# Altium PCB Xavier_NX_Carrier_Board_v1.1.PcbDoc (part 2 of 6) (continued)
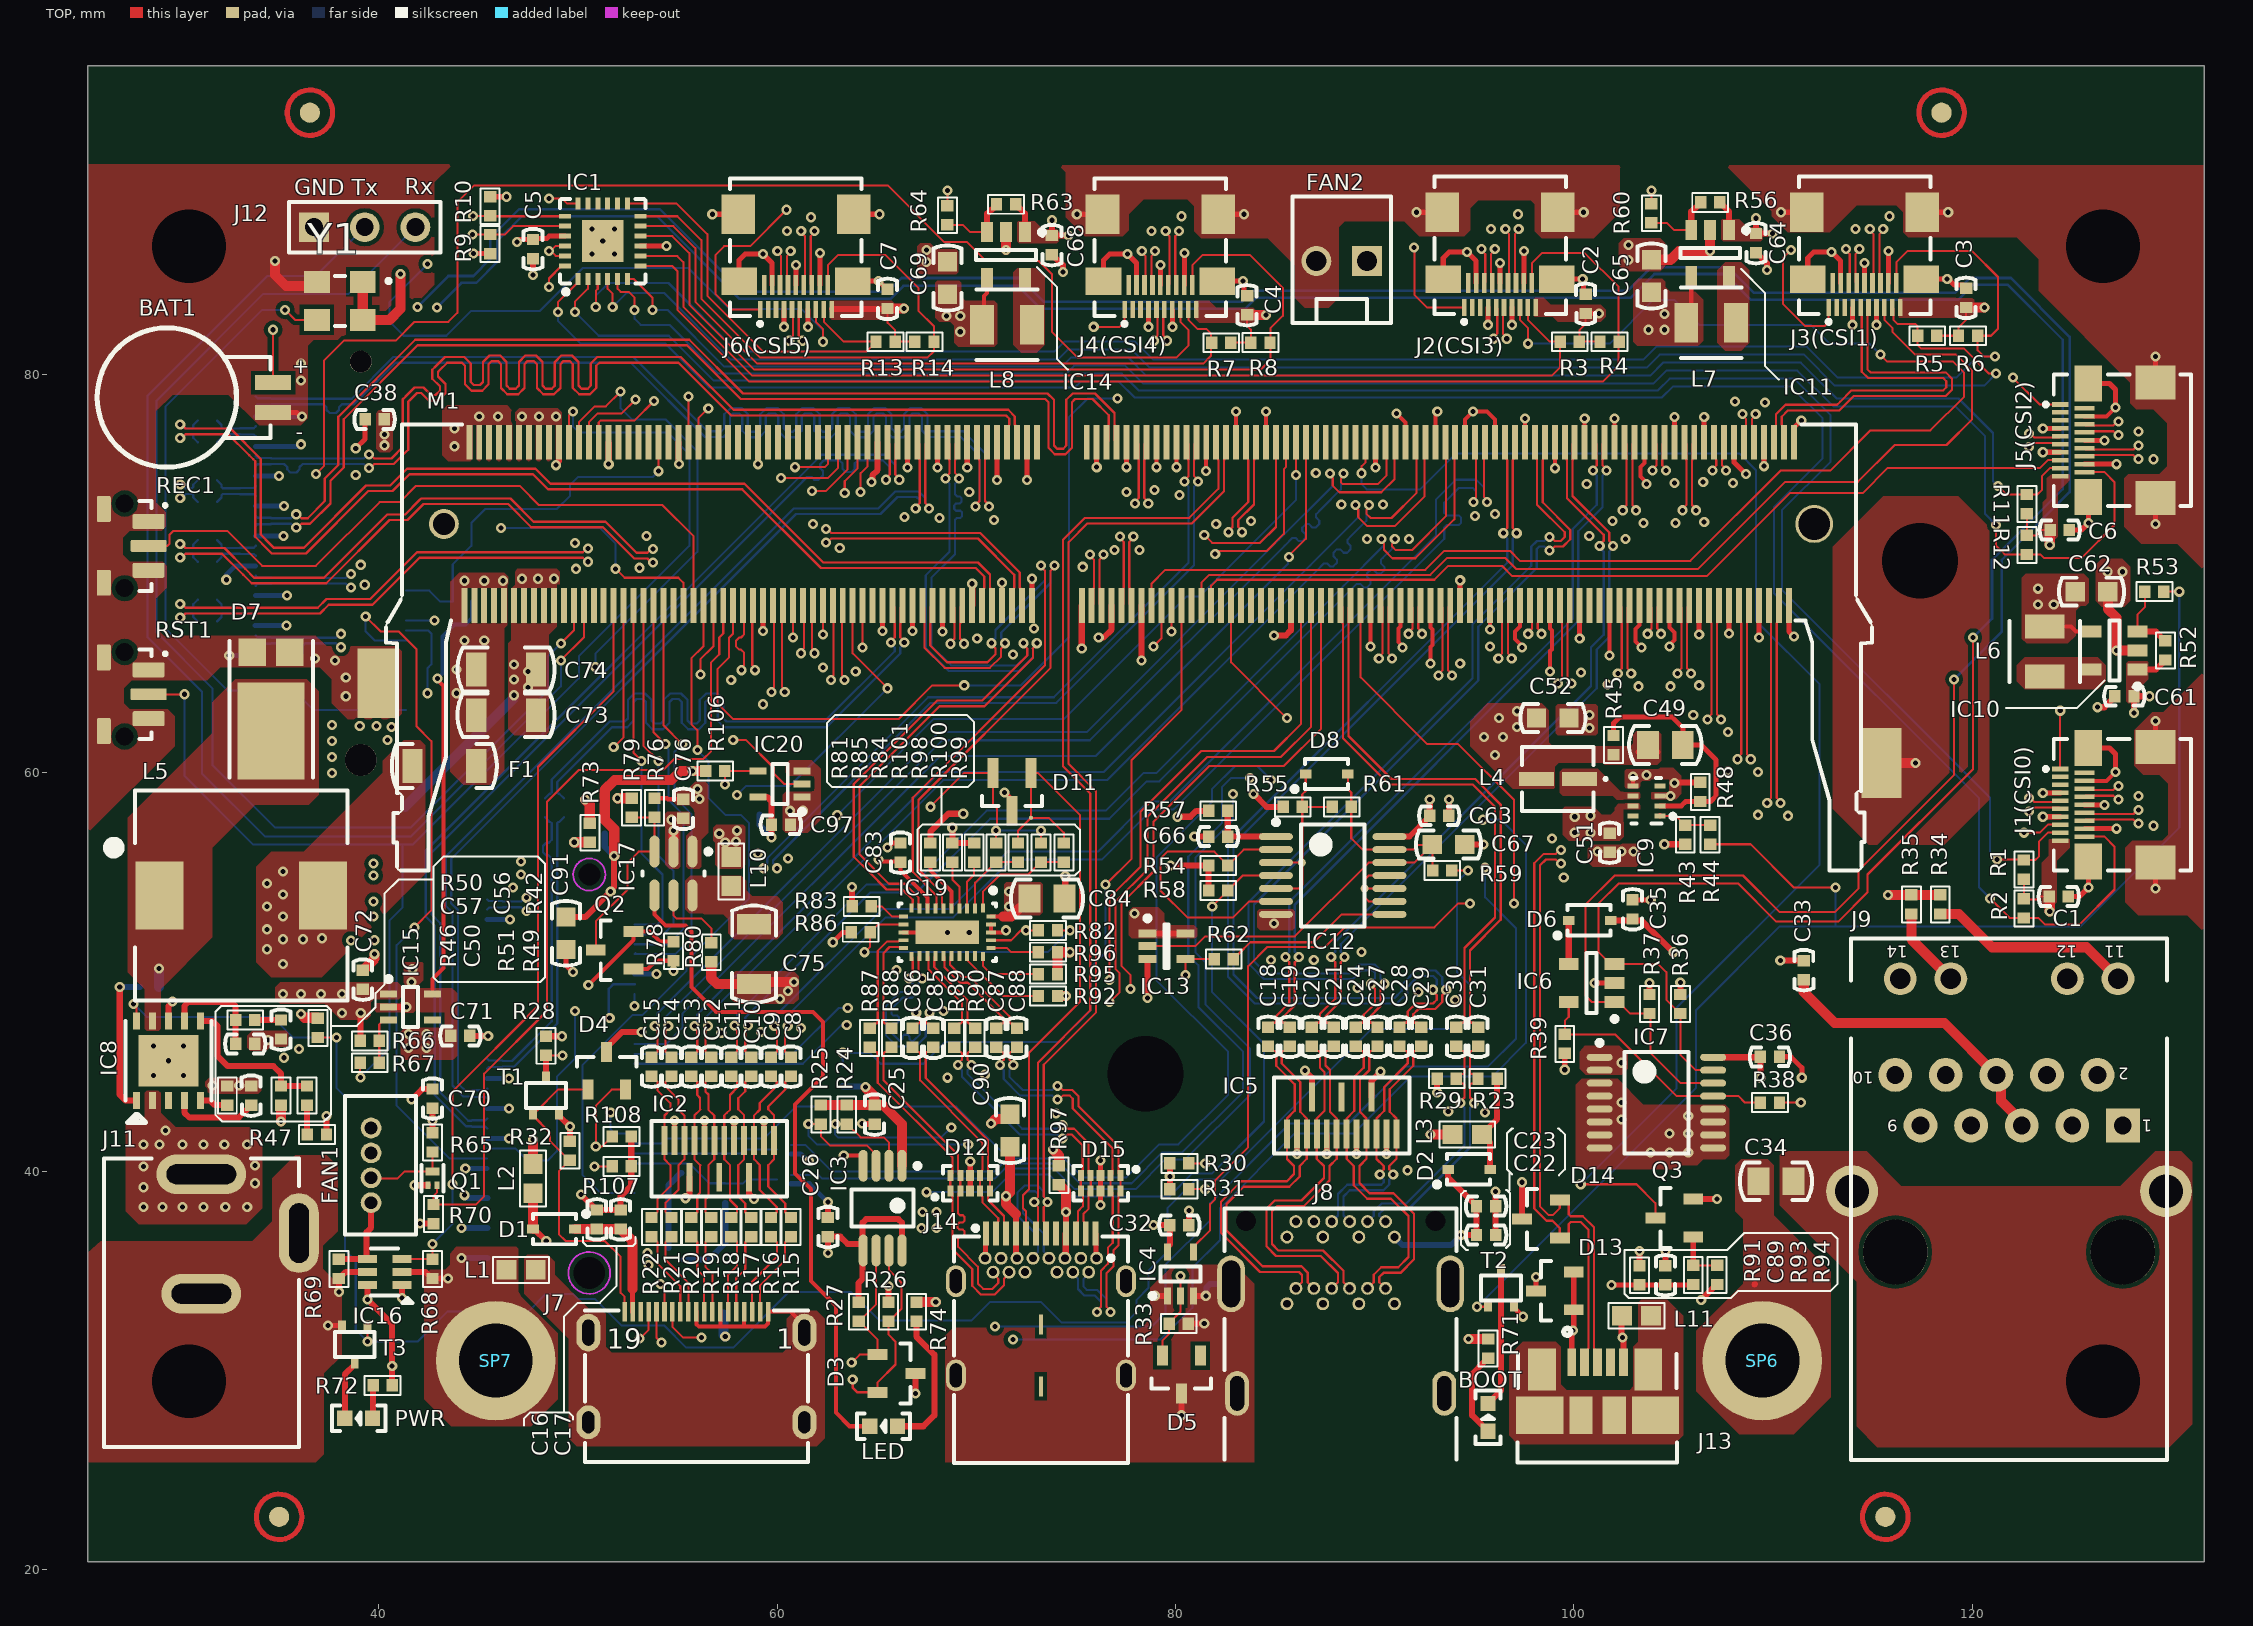
[diagram p0: TOP view]
## Nets (pads, with @x,y where several pads share a name; then routed paths per layer and width w, separated by ;. In a path a pad name is that pad's centre, name@x,y a point inside that pad or via, vN(x,y) a via of type N, cw(c..) or ccw(c..) an arc to the next point about the centre after c; other vN are vias at no path point) (continued)
C_USBSS_RX1_P: D12.2 J14.B11 R88.1 | length 17
  TOP w0.107: R88.1@65.75,46.22 65.519,45.989 65.405,45.989 65.342,45.926 65.342,44.566 69.092,40.816 69.092,40.069 69.103,40.058 69.103,39.882 D12.2@69.2,39.785 D12.2@69.2,39.015 69.103,38.918 69.103,38.742 69.092,38.731 69.092,37.95 69.092,37.884 69.182,37.794 69.323,37.794 69.413,37.704 69.413,37.523 69.323,37.433 69.16,37.433 69.07,37.343 69.07,37.163 69.16,37.073 69.323,37.073 69.413,36.982 69.413,36.802 69.323,36.712 69.182,36.712 69.092,36.622 69.092,36.208 70.084,35.216 70.084,34.366 70.35,34.1 70.819,34.1 71.108,34.389 71.108,34.601 70.85,34.859 J14.B11@70.85,34.935
C_USBSS_RX2_N: D15.5 J14.A10 R89.1 | length 14.2
  TOP w0.107: R89.1@68.9,46.22 69.132,45.988 69.22,45.988 69.283,45.926 69.283,45.6 69.088,45.406 v1(69.088,45.337) ; v1(74.337,41.656) 74.406,41.656 74.6,41.85 74.8,41.85 75.352,41.298 75.352,40.075 ; J14.A10@75,36.885 75.097,36.982 75.097,37.483 75.102,37.489 75.102,37.985 75.358,38.241 75.358,38.781 75.347,38.792 75.347,38.968 D15.5@75.25,39.065 ; D15.5@75.25,39.015 D15.5@75.25,39.785 75.347,39.882 75.347,40.058 75.358,40.069
  BOTTOM w0.107: v1(69.088,45.337) 69.088,45.268 69.283,45.074 69.283,44.759 72.192,41.85 74.074,41.85 74.268,41.656 v1(74.337,41.656)
C_USBSS_RX2_P: D15.4 J14.A11 R90.1 | length 14.2
  TOP w0.107: v1(69.762,45.337) 69.762,45.406 69.567,45.6 69.567,45.926 69.63,45.988 69.718,45.988 R90.1@69.95,46.22 ; v1(74.337,42.329) 74.406,42.329 74.6,42.134 74.918,42.134 75.309,41.743 75.637,41.416 75.637,40.075 ; J14.A11@75.5,36.885 75.403,36.982 75.403,37.483 75.387,37.5 75.387,37.867 75.642,38.123 75.642,38.781 75.653,38.792 75.653,38.968 D15.4@75.75,39.065 ; 75.642,40.069 75.653,40.058 75.653,39.882 D15.4@75.75,39.785 D15.4@75.75,39.065 ; D15.4@75.75,39.015 D15.4@75.75,39.065
  BOTTOM w0.107: v1(69.762,45.337) 69.762,45.268 69.567,45.074 69.567,44.877 72.31,42.134 74.074,42.134 74.268,42.329 v1(74.337,42.329)
C_USBSS_TX1_N: C85.2 D12.5 J14.A3 | length 11.3
  TOP w0.107: C85.2@67.85,46.22 67.618,45.988 67.53,45.988 67.467,45.926 67.467,44.683 70.592,41.558 70.592,40.069 70.603,40.058 70.603,39.882 D12.5@70.7,39.785 D12.5@70.7,39.015 70.603,38.918 70.603,38.742 70.592,38.731 70.592,38.558 71.392,37.758 71.392,37.494 71.403,37.483 71.403,36.982 J14.A3@71.5,36.885
C_USBSS_TX1_P: C86.2 D12.4 J14.A2 | length 11.3
  TOP w0.107: C86.2@66.8,46.22 67.032,45.988 67.12,45.988 67.183,45.926 67.183,44.565 70.308,41.44 70.308,40.069 70.297,40.058 70.297,39.882 D12.4@70.2,39.785 D12.4@70.2,39.015 70.297,38.918 70.297,38.742 70.308,38.731 70.308,38.44 71.103,37.645 ; J14.A2@71,36.885 71.097,36.982 71.097,37.483 71.108,37.494 71.108,37.645
C_USBSS_TX2_N: C87.2 D15.2 J14.B3 | length 20.9
  TOP w0.107: C87.2@71,46.22 71.232,45.988 71.32,45.988 71.383,45.926 71.383,45.6 71.188,45.406 v1(71.188,45.337) ; v1(74.087,43.606) 74.156,43.606 74.35,43.8 74.7,43.8 74.85,43.65 74.85,43.15 76.852,41.148 76.852,40.075 ; v1(76.071,32.937) 76.071,33.006 76.266,33.2 76.266,35.016 76.608,35.358 76.608,36.158 76.858,36.408 76.858,38.731 76.847,38.742 76.847,38.918 D15.2@76.75,39.015 D15.2@76.75,39.785 76.847,39.882 76.847,40.058 76.858,40.069
  BOTTOM w0.107: v1(71.188,45.337) 71.188,45.268 71.383,45.074 71.383,44.632 72.215,43.8 73.824,43.8 74.018,43.606 v1(74.087,43.606) ; J14.B3@74.85,34.935 74.85,34.859 75.108,34.601 75.108,34.09 75.432,33.766 75.95,33.766 76.266,33.45 76.266,33.2 76.071,33.006 v1(76.071,32.937)
C_USBSS_TX2_P: C88.2 D15.1 J14.B2 | length 20.9
  TOP w0.107: v1(71.862,45.337) 71.862,45.406 71.667,45.6 71.667,45.926 71.73,45.988 71.818,45.988 C88.2@72.05,46.22 ; v1(74.087,44.279) 74.156,44.279 74.35,44.084 74.818,44.084 75.134,43.768 75.134,43.268 76.809,41.593 77.137,41.266 77.137,40.075 ; v1(76.744,32.937) 76.744,33.006 76.55,33.2 76.55,34.898 76.892,35.24 76.892,36.04 77.142,36.29 77.142,38.731 77.153,38.742 77.153,38.918 D15.1@77.25,39.015 D15.1@77.25,39.785 77.153,39.882 77.153,40.058 77.142,40.069
  BOTTOM w0.107: v1(71.862,45.337) 71.862,45.268 71.667,45.074 71.667,44.75 72.333,44.084 73.824,44.084 74.018,44.279 v1(74.087,44.279) ; J14.B2@75.65,34.935 75.65,34.859 75.392,34.601 75.392,34.208 75.55,34.05 76.068,34.05 76.55,33.568 76.55,33.2 76.744,33.006 v1(76.744,32.937)
CAM0_I2C_SCL: IC1.2 J1(CSI0).17 R1.1 | length 99.9
  TOP w0.102: v1(49.85,83.15) 49.85,83.65 50.5,84.3 IC1.2@50.5,84.8 ; v1(121.25,55.65) R1.1@122.58,55.65 ; R1.1@122.6,55.63 123.18,55.63 123.35,55.8 123.35,56.55 123.8,57 124.425,57
  BOTTOM w0.102: v1(49.85,83.15) 51.05,81.95 54.566,81.95 56.816,79.7 74.734,79.7 75.084,80.05 77.316,80.05 78.166,79.2 104.213,79.2 104.813,79.8 111.066,79.8 112.9,77.966 112.9,75.634 110.45,73.184 110.45,69.2 120.9,58.75 120.9,56 v1(121.25,55.65)
CAM0_I2C_SDA: IC1.1 J1(CSI0).18 R2.1 | length 109.7
  TOP w0.102: v1(49,83.15) 49,83.625 50,84.625 IC1.1@50,84.8 ; v1(120.9,53.7) 121.88,52.72 R2.1@122.6,52.72 123.33,52.72 123.65,52.4 125.4,52.4 127.15,54.15 127.15,56.3 126.65,56.8 125.65,56.8
  BOTTOM w0.102: v1(49,83.15) 49,82.7 50.15,81.55 54.4,81.55 56.6,79.35 74.95,79.35 75.25,79.65 77.15,79.65 77.95,78.85 104.428,78.85 104.978,79.4 110.9,79.4 112.5,77.8 112.5,75.8 110.05,73.35 110.05,69.034 120.35,58.734 120.35,54.25 v1(120.9,53.7)
CAM0_PWDN: J1(CSI0).15 M1.114 | length 51.7
  TOP w0.102: M1.114@82.8,68.4 82.8,65.55 v1(85.6,62.75) ; v1(122.6,57) 123.4,57 123.8,57.4 124.425,57.4
  L4_SIG w0.127: v1(85.6,62.75) 88.2,60.15 88.2,58 91.7,54.5 98.55,54.5 98.8,54.25 100.5,54.25 101.35,55.1 110.25,55.1 112.15,57 v1(122.6,57)
CAM1_I2C_SCL: IC1.4 J3(CSI1).17 R5.1 | length 81.8
  TOP w0.102: IC1.4@51.5,84.8 51.5,84.3 51.75,84.05 v1(51.75,83.4) ; 116,83.375 116.064,83.311 116.064,82.736 116.25,82.55 117.15,82.55 117.27,82.43 R5.1@117.27,81.95 117.27,81.48 117.45,81.3 119.6,81.3 120.85,80.05 v1(121.2,80.05)
  BOTTOM w0.102: v1(51.75,83.4) 52.45,84.1 54.326,84.1 57.676,80.75 74.087,80.75 74.587,81.25 77.813,81.25 78.713,80.35 103.666,80.35 104.316,81 111.563,81 113.113,79.45 120.6,79.45 v1(121.2,80.05)
CAM1_I2C_SDA: IC1.3 J3(CSI1).18 R6.1 | length 88.3
  TOP w0.102: v1(50.9,83.4) 50.9,84.2 51,84.3 IC1.3@51,84.8 ; 116.2,84.6 116.2,85.65 116.75,86.2 120,86.2 121.3,84.9 121.3,82.3 120.95,81.95 R6.1@120.28,81.95 120.28,81.22 120.6,80.9 v1(121.15,80.9)
  BOTTOM w0.102: v1(50.9,83.4) 50.9,83.95 51.55,84.6 54.55,84.6 58,81.15 73.922,81.15 74.422,81.65 77.978,81.65 78.878,80.75 103.5,80.75 104.15,81.4 111.7,81.4 113.25,79.85 119.2,79.85 120.25,80.9 v1(121.15,80.9)
CAM1_PWDN: J3(CSI1).15 M1.120 | length 52.4
  TOP w0.102: M1.120@81.3,68.4 81.3,69.55 81.7,69.95 92.8,69.95 93.65,70.8 96.55,70.8 97.1,70.25 106.25,70.25 110.616,74.616 114.266,74.616 116.116,76.466 118.716,76.466 120,77.75 120,80.2 119.2,81 117.15,81 116,82.15 116,82.35 115.6,82.75 115.6,83.375
CAM2_I2C_SCL: IC1.6 J5(CSI2).17 R11.1 | length 80
  TOP w0.102: IC1.6@52.5,84.8 52.8,84.8 53.75,83.85 v1(53.75,83.25) ; v1(121.3,74.4) 121.72,73.98 R11.1@122.75,73.98 123.28,73.98 123.5,74.2 123.5,74.9 123.9,75.3 124.425,75.3
  BOTTOM w0.102: v1(53.75,83.25) 54.5,83.25 57.35,80.4 74.303,80.4 74.753,80.85 77.647,80.85 78.547,79.95 103.831,79.95 104.481,80.6 111.397,80.6 113.197,78.8 119.316,78.8 121.05,77.066 121.05,74.65 v1(121.3,74.4)
CAM2_I2C_SDA: IC1.5 J5(CSI2).18 R12.1 | length 90.2
  TOP w0.102: IC1.5@52,84.8 52,84.3 52.15,84.15 52.55,84.15 52.85,83.85 v1(52.85,83.25) ; v1(121.2,72.45) 121.2,71.4 121.63,70.97 R12.1@122.75,70.97 123.43,70.97 123.6,70.8 125.5,70.8 127.15,72.45 127.15,74.6 126.65,75.1 125.65,75.1
  BOTTOM w0.102: v1(52.85,83.25) 52.85,82.8 53.158,82.492 53.242,82.492 53.25,82.5 54.6,82.5 57.05,80.05 74.519,80.05 74.919,80.45 77.481,80.45 78.381,79.55 103.997,79.55 104.647,80.2 111.231,80.2 113.031,78.4 119.15,78.4 120.65,76.9 120.65,73 v1(121.2,72.45)
CAM2_PWDN: J5(CSI2).15 M1.118 | length 46.7
  TOP w0.102: M1.118@81.8,68.4 81.8,69.4 82.1,69.7 93,69.7 93.7,70.4 96.4,70.4 96.922,69.878 106.678,69.878 110.85,74.05 114.5,74.05 115.75,75.3 123.4,75.3 123.8,75.7 124.425,75.7
CAM3_I2C_SCL: IC1.8 J2(CSI3).17 R3.1 | length 54.1
  TOP w0.102: IC1.8@53.15,85.95 55,85.95 55.3,85.65 55.3,83.4 58.75,79.95 98.9,79.95 99.32,80.37 R3.1@99.32,81.65 98.8,81.65 97.7,82.75 97.7,83.375
CAM3_I2C_SDA: IC1.7 J2(CSI3).18 R4.1 | length 63.2
  TOP w0.102: IC1.7@53.15,85.45 54.75,85.45 55,85.2 55,83.25 58.6,79.65 101.45,79.65 102.25,80.45 R4.1@102.25,81.68 ; 97.9,84.6 97.9,85.6 98.4,86.1 100.55,86.1 102.25,84.4 R4.1@102.25,81.68 ; R4.1@102.28,81.65 R4.1@102.25,81.68
CAM3_PWDN: J2(CSI3).15 M1.130 | length 73.7
  TOP w0.102: M1.130@78.8,68.4 78.8,69.5 79.5,70.2 92.55,70.2 93.5,71.15 96.8,71.15 97.3,70.65 105.85,70.65 110.381,75.181 112.881,75.181 114.9,77.2 117.903,77.2 119.6,78.897 119.6,80.1 119.05,80.65 115.75,80.65 v1(115.4,81) ; 97.3,83.375 97.3,82.75 97.7,82.35 v1(97.7,81.55)
  BOTTOM w0.102: v1(97.7,81.55) 101.8,81.55 104,83.75 105.05,83.75 106.3,82.5 111.9,82.5 112.85,81.55 114.85,81.55 v1(115.4,81)
CAM4_I2C_SCL: IC1.11 J4(CSI4).17 R7.1 | length 36.3
  TOP w0.102: IC1.11@53.15,87.45 54.8,87.45 55.9,86.35 55.9,83.65 59,80.55 81.391,80.55 81.8,80.959 81.8,81.6 81.8,82.05 81.55,82.3 81.1,82.3 80.65,82.75 80.65,83.275
CAM4_I2C_SDA: IC1.10 J4(CSI4).18 R8.1 | length 46.4
  TOP w0.102: IC1.10@53.15,86.95 54.75,86.95 55.6,86.1 55.6,83.5 58.85,80.25 84.275,80.25 84.772,80.747 84.772,81.607 84.772,82.322 85.4,82.95 85.4,84.35 83.75,86 81.35,86 80.85,85.5 80.85,84.5
CAM4_PWDN: J4(CSI4).15 M1.216 | length 86.3
  TOP w0.102: v1(36.85,75) 37.25,75.4 37.25,80.7 38.25,81.7 40.85,81.7 41.8,82.65 43.5,82.65 43.95,83.1 43.95,88.65 44.8,89.5 65.55,89.5 68.4,86.65 69.55,86.65 70.5,85.7 73.15,85.7 73.8,85.05 73.8,82.15 75.1,80.85 80.05,80.85 80.65,81.45 80.65,82.25 80.25,82.65 80.25,83.275 ; v1(51.9,70.25) 52.35,69.8 55.05,69.8 55.3,69.55 M1.216@55.3,68.4
  L4_SIG w0.127: v1(36.85,75) 37.6,75 38.55,74.05 44.4,74.05 v1(46.15,72.3)
  BOTTOM w0.102: v1(46.15,72.3) 51.1,72.3 51.9,71.5 v1(51.9,70.25)
CAM5_I2C_SCL: IC1.13 J6(CSI5).17 R13.1 | length 21.2
  TOP w0.102: IC1.13@52.5,88.6 54.95,88.6 56.5,87.05 56.5,83.95 59.3,81.15 64.47,81.15 R13.1@64.97,81.65 63.35,81.65 62.35,82.65 62.35,83.275
CAM5_I2C_SDA: IC1.12 J6(CSI5).18 R14.1 | length 29.5
  TOP w0.102: IC1.12@53.15,87.95 55,87.95 56.2,86.75 56.2,83.8 59.15,80.85 67.55,80.85 67.88,81.18 67.88,81.6 67.88,82.42 67.1,83.2 67.1,84.35 65.45,86 63.05,86 62.55,85.5 62.55,84.5
CAM5_PWDN: J6(CSI5).15 M1.228 | length 91.4
  TOP w0.102: v1(51.8,61.3) 52.3,61.8 M1.228@52.3,68.4 ; 61.95,83.275 61.95,82.65 62.3,82.3 v1(62.3,81.65)
  L4_SIG w0.127: v1(42.45,85.55) 36.15,85.55 28.55,77.95 28.55,67.45 32.85,63.15 41.6,63.15 43.45,61.3 v1(51.8,61.3)
  BOTTOM w0.102: v1(42.45,85.55) 40.55,83.65 40.55,82.65 41.25,81.95 43.4,81.95 44.65,83.2 48.1,83.2 50.25,85.35 55.55,85.35 57.6,83.3 61.222,83.3 62.3,82.222 v1(62.3,81.65)
CAM_I2C_SCL: IC1.19 M1.213 R10.1 | length 24.3
  TOP w0.102: v1(44.73,87.97) R10.1@45.6,87.97 ; R10.1@45.6,87.95 IC1.19@49.35,87.95 ; M1.213@56.05,76.6 56.05,77.8 v1(56.55,78.3)
  L4_SIG w0.127: v1(44.73,87.97) 46.2,86.5 46.2,84.1 49.45,80.85 54.85,80.85 56.55,79.15 v1(56.55,78.3)
CAM_I2C_SDA: IC1.20 M1.215 R9.1 | length 22.6
  TOP w0.102: v1(44.72,87.03) R9.1@45.6,87.03 46.33,87.03 46.75,87.45 IC1.20@49.35,87.45 ; M1.215@55.55,76.6 v1(55.55,78.9)
  L4_SIG w0.127: v1(44.72,87.03) 45.75,86 45.75,83.85 49.2,80.4 54.05,80.4 v1(55.55,78.9)
CC1: IC19.2 R98.1 R101.2 | length 3.9
  TOP w0.102: IC19.2@69.95,53.2 69.95,54.495 70.975,55.52 R101.2@71,55.52 R98.1@72.1,55.52
CC2: IC19.1 R99.1 R100.2 | length 5.5
  TOP w0.102: IC19.1@70.35,53.23 70.35,54.05 71.2,54.9 72.605,54.9 73.225,55.52 R100.2@73.25,55.52 R99.1@74.4,55.52
CSI0_CLK_N: J1(CSI0).14 M1.10 | length 33.1
  TOP w0.107: M1.10@108.8,68.4 108.703,68.303 108.703,67.527 108.692,67.516 108.692,60.95 108.887,60.756 v1(108.887,60.687) ; 125.65,57.6 125.708,57.658 128.1,57.658 128.294,57.463 v1(128.363,57.463)
  L4_SIG w0.109: v1(108.887,60.687) 108.887,60.761 108.697,60.95 108.697,61.183 108.903,61.389 109.956,61.389 110.628,61.389 110.782,61.235 110.782,61.094 110.937,60.94 111.245,60.94 111.399,61.094 111.399,61.235 111.554,61.389 112.05,61.389 122.494,61.389 126.231,57.652 128.1,57.652 128.289,57.463 v1(128.363,57.463)
CSI0_CLK_P: J1(CSI0).12 M1.12 | length 33.1
  TOP w0.107: v1(108.213,60.687) 108.213,60.756 108.408,60.95 108.408,67.516 108.397,67.527 108.397,68.303 M1.12@108.3,68.4 ; 125.65,58 125.708,57.942 128.1,57.942 128.294,58.136 v1(128.363,58.136)
  L4_SIG w0.109: v1(108.213,60.687) 108.213,60.761 108.403,60.95 108.403,61.305 108.781,61.684 122.616,61.684 122.702,61.598 126.353,57.947 128.1,57.947 128.289,58.136 v1(128.363,58.136)
CSI0_D0_N: J1(CSI0).11 M1.4 | length 32.1
  TOP w0.107: M1.4@110.3,68.4 110.203,68.303 110.203,67.527 110.192,67.516 110.192,58.748 110.387,58.554 v1(110.387,58.485) ; v1(122.85,58.063) 122.919,58.063 123.113,58.258 124.367,58.258 124.425,58.2
  L4_SIG w0.109: v1(110.387,58.485) 110.387,58.559 110.197,58.749 110.197,58.949 110.6,59.352 110.648,59.4 111.697,59.4 111.851,59.246 111.851,58.523 112.178,58.196 112.73,58.196 113.057,58.523 113.057,59.316 113.212,59.47 113.52,59.47 113.675,59.316 113.675,58.48 114.001,58.153 114.554,58.153 114.881,58.48 114.881,59.316 115.035,59.47 115.344,59.47 115.498,59.316 115.498,58.48 115.825,58.153 116.378,58.153 116.705,58.48 116.705,59.246 116.859,59.4 117,59.4 117.583,59.4 118.733,58.25 119.7,58.25 119.95,58 120.3,58 120.55,58.25 121.1,58.25 121.347,58.003 121.65,58.003 121.9,58.253 122.587,58.253 122.776,58.063 v1(122.85,58.063)
CSI0_D0_P: J1(CSI0).9 M1.6 | length 32.1
  TOP w0.107: v1(109.713,58.485) 109.713,58.554 109.908,58.748 109.908,67.516 109.897,67.527 109.897,68.303 M1.6@109.8,68.4 ; v1(122.85,58.737) 122.919,58.737 123.113,58.542 124.367,58.542 124.425,58.6
  L4_SIG w0.109: v1(109.713,58.485) 109.713,58.559 109.903,58.749 109.903,59.071 110.526,59.695 110.6,59.695 111.819,59.695 112.145,59.368 112.145,58.645 112.3,58.491 112.608,58.491 112.763,58.645 112.763,59.438 113.09,59.765 113.642,59.765 113.969,59.438 113.969,58.602 114.123,58.447 114.432,58.447 114.586,58.602 114.586,59.438 114.913,59.765 115.466,59.765 115.793,59.438 115.793,58.602 115.947,58.447 116.256,58.447 116.41,58.602 116.41,59.368 116.737,59.695 117,59.695 117.705,59.695 118.853,58.547 122.587,58.547 122.776,58.737 v1(122.85,58.737)
CSI0_D1_N: J1(CSI0).8 M1.16 | length 32.6
  TOP w0.107: M1.16@107.3,68.4 107.203,68.303 107.203,67.527 107.192,67.516 107.192,62.95 107.387,62.756 v1(107.387,62.687) ; 125.65,58.8 125.708,58.858 127.092,58.858 127.287,58.664 v1(127.355,58.664)
  L4_SIG w0.109: v1(107.387,62.687) 107.387,62.761 107.197,62.95 107.197,63.249 107.498,63.55 108.2,63.55 108.872,63.55 109.026,63.396 109.026,63.279 109.18,63.125 109.489,63.125 109.643,63.279 109.643,63.396 109.798,63.55 110.241,63.55 116.82,63.55 117.083,63.55 117.41,63.877 117.41,64.438 117.565,64.592 117.873,64.592 118.027,64.438 118.027,63.877 118.354,63.55 120.65,63.55 122.033,63.55 126.73,58.853 127.092,58.853 127.281,58.664 v1(127.355,58.664)
CSI0_D1_P: J1(CSI0).6 M1.18 | length 32.6
  TOP w0.107: v1(106.713,62.687) 106.713,62.756 106.908,62.95 106.908,67.516 106.897,67.527 106.897,68.303 M1.18@106.8,68.4 ; 125.65,59.2 125.708,59.142 127.092,59.142 127.287,59.337 v1(127.355,59.337)
  L4_SIG w0.109: v1(106.713,62.687) 106.713,62.761 106.903,62.95 106.903,63.371 107.376,63.845 116.82,63.845 116.961,63.845 117.116,63.999 117.116,64.56 117.442,64.887 117.995,64.887 118.322,64.56 118.322,63.999 118.476,63.845 120.65,63.845 122.155,63.845 126.852,59.148 127.092,59.148 127.281,59.337 v1(127.355,59.337)
CSI1_CLK_N: J3(CSI1).14 M1.9 | length 17.4
  TOP w0.107: M1.9@109.05,76.6 108.953,76.697 108.953,77.473 108.942,77.484 108.942,77.75 109.137,77.944 v1(109.137,78.013) ; 115.4,84.6 115.342,84.658 115.342,87.05 115.537,87.244 v1(115.537,87.313)
  L4_SIG w0.109: v1(109.137,78.013) 109.137,78.087 108.947,78.277 108.947,78.781 110.783,80.617 111.237,81.071 111.456,81.071 111.642,80.884 112.104,80.884 112.495,81.275 112.495,81.738 112.309,81.924 112.309,82.142 112.408,82.242 115.348,85.181 115.348,87.05 115.537,87.239 v1(115.537,87.313)
CSI1_CLK_P: J3(CSI1).12 M1.11 | length 17.4
  TOP w0.107: v1(108.463,78.013) 108.463,77.944 108.658,77.75 108.658,77.484 108.647,77.473 108.647,76.697 M1.11@108.55,76.6 ; v1(114.864,87.313) 114.864,87.244 115.058,87.05 115.058,84.658 115,84.6
  L4_SIG w0.109: v1(108.463,78.013) 108.463,78.087 108.653,78.277 108.653,78.903 110.575,80.825 111.115,81.365 111.578,81.365 111.764,81.179 111.982,81.179 112.2,81.397 112.2,81.616 112.014,81.802 112.014,82.264 112.2,82.45 115.053,85.303 115.053,87.05 114.864,87.239 v1(114.864,87.313)
CSI1_D0_N: J3(CSI1).11 M1.3 | length 18.6
  TOP w0.107: M1.3@110.55,76.6 110.453,76.697 110.453,77.473 110.442,77.484 110.442,77.89 110.752,78.2 113.336,78.2 113.586,78.45 114.062,78.926 118.669,78.926 118.989,79.246 118.989,79.789 118.669,80.11 114.896,80.11 114.742,80.263 114.742,80.4 114.742,83.317 114.8,83.375
CSI1_D0_P: J3(CSI1).9 M1.5 | length 18.6
  TOP w0.107: M1.5@110.05,76.6 110.147,76.697 110.147,77.473 110.158,77.484 110.158,78.008 110.634,78.484 113.218,78.484 113.373,78.64 113.944,79.21 118.551,79.21 118.705,79.364 118.705,79.672 118.551,79.825 114.778,79.825 114.458,80.145 114.458,80.4 114.458,83.317 114.4,83.375
CSI1_D1_N: J3(CSI1).8 M1.15 | length 17.4
  TOP w0.107: M1.15@107.55,76.6 107.453,76.503 107.453,75.727 107.442,75.716 107.442,75.45 107.637,75.256 v1(107.637,75.187) ; 114.2,84.6 114.142,84.658 114.142,86.042 114.336,86.237 v1(114.336,86.305)
  L4_SIG w0.109: v1(107.637,75.187) 107.637,75.261 107.447,75.45 107.447,78.981 114.147,85.68 114.147,86.042 114.336,86.231 v1(114.336,86.305)
CSI1_D1_P: J3(CSI1).6 M1.17 | length 17.4
  TOP w0.107: v1(106.963,75.187) 106.963,75.256 107.158,75.45 107.158,75.716 107.147,75.727 107.147,76.503 M1.17@107.05,76.6 ; v1(113.663,86.305) 113.663,86.237 113.858,86.042 113.858,84.658 113.8,84.6
  L4_SIG w0.109: v1(106.963,75.187) 106.963,75.261 107.153,75.45 107.153,79.103 113.852,85.802 113.852,86.042 113.663,86.231 v1(113.663,86.305)
CSI2_CLK_N: J5(CSI2).14 M1.28 | length 38.6
  TOP w0.107: M1.28@104.3,68.4 104.203,68.303 104.203,67.527 104.192,67.516 104.192,67.25 104.387,67.056 v1(104.387,66.987) ; 125.65,75.9 125.708,75.958 128.1,75.958 128.294,75.763 v1(128.363,75.763)
  L4_SIG w0.109: v1(104.387,66.987) 104.387,67.063 104.199,67.25 104.199,67.651 114.398,77.85 115.692,77.85 117.02,77.85 117.175,77.696 117.175,77.045 117.501,76.718 118.054,76.718 118.381,77.045 118.381,77.805 118.535,77.96 118.844,77.96 118.998,77.805 118.998,77.045 119.325,76.718 119.878,76.718 120.205,77.045 120.205,77.696 120.359,77.85 120.5,77.85 120.6,77.85 120.65,77.85 121.272,77.85 121.426,77.696 121.426,77.522 121.58,77.367 121.889,77.367 122.043,77.522 122.043,77.696 122.198,77.85 122.45,77.85 124.333,77.85 126.231,75.952 128.1,75.952 128.289,75.763 v1(128.363,75.763)
CSI2_CLK_P: J5(CSI2).12 M1.30 | length 38.4
  TOP w0.107: v1(103.713,66.987) 103.713,67.056 103.908,67.25 103.908,67.516 ; M1.30@103.8,68.4 103.897,68.303 M1.30@103.897,67.527 ; 125.65,76.3 125.708,76.242 128.1,76.242 128.294,76.436 v1(128.363,76.436)
  L4_SIG w0.109: v1(103.713,66.987) 103.713,67.061 103.905,67.252 103.905,67.773 114.276,78.145 115.692,78.145 117.142,78.145 117.469,77.818 117.469,77.167 117.624,77.013 117.932,77.013 118.086,77.167 118.086,77.927 118.413,78.254 118.966,78.254 119.293,77.927 119.293,77.167 119.447,77.013 119.756,77.013 119.91,77.167 119.91,77.818 120.237,78.145 120.5,78.145 124.455,78.145 126.353,76.247 128.1,76.247 128.289,76.436 v1(128.363,76.436)
CSI2_D0_N: J5(CSI2).11 M1.22 | length 37.8
  TOP w0.107: 105.691,65.25 105.885,65.056 v1(105.885,64.987) ; 105.692,65.25 105.692,67.516 105.703,67.527 105.703,68.303 M1.22@105.8,68.4 ; v1(122.85,76.363) 122.919,76.363 123.113,76.558 124.367,76.558 124.425,76.5
  L4_SIG w0.109: v1(105.885,64.987) 105.885,65.061 105.696,65.25 105.696,67.846 112.3,74.45 113.15,74.45 113.413,74.45 113.74,74.777 113.74,75.388 113.894,75.542 114.203,75.542 114.357,75.388 114.357,73.905 114.684,73.579 115.237,73.579 115.564,73.905 115.564,75.388 115.718,75.542 116.026,75.542 116.181,75.388 116.181,73.905 116.508,73.579 117.06,73.579 117.387,73.905 117.387,75.345 117.542,75.499 117.85,75.499 118.005,75.345 118.005,74.777 118.331,74.45 119.2,74.45 119.33,74.58 119.575,74.825 120.05,75.3 120.268,75.3 120.36,75.208 120.578,75.208 120.796,75.427 120.796,75.645 120.705,75.737 120.705,75.955 120.925,76.175 121.303,76.553 122.587,76.553 122.776,76.363 v1(122.85,76.363)
CSI2_D0_P: J5(CSI2).9 M1.24 | length 37.7
  TOP w0.107: v1(105.212,64.987) 105.212,65.056 105.407,65.25 ; M1.24@105.3,68.4 105.397,68.303 105.397,67.527 105.408,67.516 105.408,65.25 ; v1(122.85,77.037) 122.919,77.037 123.113,76.842 124.367,76.842 124.425,76.9
  L4_SIG w0.109: v1(105.212,64.987) 105.212,65.061 105.401,65.25 105.401,67.968 112.178,74.745 113.15,74.745 113.291,74.745 113.445,74.899 113.445,75.51 113.772,75.837 114.325,75.837 114.652,75.51 114.652,74.027 114.806,73.873 115.115,73.873 115.269,74.027 115.269,75.51 115.596,75.837 116.149,75.837 116.475,75.51 116.475,74.027 116.63,73.873 116.938,73.873 117.093,74.027 117.093,75.467 117.42,75.794 117.972,75.794 118.299,75.467 118.299,74.899 118.453,74.745 119.078,74.745 119.33,74.997 121.181,76.847 122.587,76.847 122.776,77.037 v1(122.85,77.037)
CSI2_D1_N: J5(CSI2).8 M1.34 | length 38.6
  TOP w0.107: 102.691,65.25 102.885,65.055 v1(102.885,64.987) ; 102.692,65.25 102.692,67.516 102.703,67.527 102.703,68.303 M1.34@102.8,68.4 ; 125.65,77.1 125.708,77.158 127.092,77.158 127.287,76.964 v1(127.355,76.964)
  L4_SIG w0.109: 102.691,65.25 102.691,67.491 114.05,78.85 118.5,78.85 119.172,78.85 119.326,78.696 119.326,78.551 119.48,78.397 119.789,78.397 119.943,78.551 119.943,78.696 120.098,78.85 121.4,78.85 125.033,78.85 126.73,77.153 127.092,77.153 127.281,76.964 v1(127.355,76.964) ; 102.696,65.25 102.885,65.061 v1(102.885,64.987)
CSI2_D1_P: J5(CSI2).6 M1.36 | length 38.6
  TOP w0.107: v1(102.212,64.987) 102.212,65.055 102.407,65.25 ; M1.36@102.3,68.4 102.397,68.303 102.397,67.527 102.408,67.516 102.408,65.25 ; 125.65,77.5 125.708,77.442 127.092,77.442 127.287,77.637 v1(127.355,77.637)
  L4_SIG w0.109: v1(102.212,64.987) 102.212,65.061 102.401,65.25 ; 102.396,65.25 102.396,67.613 113.928,79.145 125.155,79.145 126.852,77.448 127.092,77.448 127.281,77.637 v1(127.355,77.637)
CSI3_CLK_N: J2(CSI3).14 M1.27 | length 25.8
  TOP w0.107: 97.1,84.6 97.042,84.658 97.042,87.05 97.237,87.244 v1(97.237,87.313) ; M1.27@104.55,76.6 104.453,76.503 104.453,75.727 104.442,75.716 104.442,75.45 104.637,75.256 v1(104.637,75.187)
  L4_SIG w0.109: v1(97.237,87.313) 97.237,87.239 97.048,87.05 97.048,85.181 95.1,83.233 95.1,80.75 97.062,78.788 97.25,78.788 98.066,78.788 98.393,78.461 98.393,78.141 98.547,77.987 98.856,77.987 99.01,78.141 99.01,78.461 99.337,78.788 99.6,78.788 103.021,78.788 104.447,77.362 104.447,75.45 104.637,75.261 v1(104.637,75.187)
CSI3_CLK_P: J2(CSI3).12 M1.29 | length 25.8
  TOP w0.107: v1(96.564,87.313) 96.564,87.244 96.758,87.05 96.758,84.658 96.7,84.6 ; v1(103.963,75.187) 103.963,75.256 104.158,75.45 104.158,75.716 104.147,75.727 104.147,76.503 M1.29@104.05,76.6
  L4_SIG w0.109: v1(96.564,87.313) 96.564,87.239 96.753,87.05 96.753,85.303 94.805,83.355 94.805,80.628 96.94,78.494 97.25,78.494 97.944,78.494 98.098,78.339 98.098,78.019 98.425,77.692 98.978,77.692 99.305,78.019 99.305,78.339 99.459,78.494 99.6,78.494 102.899,78.494 104.153,77.24 104.153,75.45 103.963,75.261 v1(103.963,75.187)
CSI3_D0_N: J2(CSI3).11 M1.21 | length 25.8
  TOP w0.107: 96.5,83.375 96.442,83.317 96.442,82.063 96.637,81.869 v1(96.637,81.8) ; 105.941,73.45 106.135,73.256 v1(106.135,73.187) ; 105.942,73.45 105.942,75.716 105.953,75.727 105.953,76.503 M1.21@106.05,76.6
  L4_SIG w0.109: v1(96.637,81.8) 96.637,81.726 96.447,81.537 96.447,80.953 97.589,79.811 98.25,79.811 98.391,79.811 98.545,79.965 98.545,80.676 98.872,81.003 99.425,81.003 99.752,80.676 99.752,79.944 99.906,79.789 100.215,79.789 100.369,79.944 100.369,80.676 100.696,81.003 101.249,81.003 101.575,80.676 101.575,79.965 101.73,79.811 102.3,79.811 104.758,79.811 105.947,78.621 105.947,73.45 ; 105.946,73.45 106.135,73.261 v1(106.135,73.187)
CSI3_D0_P: J2(CSI3).9 M1.23 | length 25.8
  TOP w0.107: v1(95.963,81.8) 95.963,81.869 96.158,82.063 96.158,83.317 96.1,83.375 ; v1(105.462,73.187) 105.462,73.256 105.657,73.45 ; M1.23@105.55,76.6 105.647,76.503 105.647,75.727 105.658,75.716 105.658,73.45
  L4_SIG w0.109: v1(95.963,81.8) 95.963,81.726 96.153,81.537 96.153,80.831 97.467,79.516 98.25,79.516 98.513,79.516 98.84,79.843 98.84,80.554 98.994,80.709 99.303,80.709 99.457,80.554 99.457,79.822 99.784,79.495 100.337,79.495 100.664,79.822 100.664,80.554 100.818,80.709 101.126,80.709 101.281,80.554 101.281,79.843 101.608,79.516 102.3,79.516 104.636,79.516 105.653,78.499 105.653,73.45 ; v1(105.462,73.187) 105.462,73.261 105.651,73.45
CSI3_D1_N: J2(CSI3).8 M1.33 | length 25.9
  TOP w0.107: 95.9,84.6 95.842,84.658 95.842,86.042 96.036,86.237 v1(96.036,86.305) ; 102.941,73.45 103.135,73.255 v1(103.135,73.187) ; 102.942,73.45 102.942,75.716 102.953,75.727 102.953,76.503 M1.33@103.05,76.6
  L4_SIG w0.109: v1(96.036,86.305) 96.036,86.231 95.847,86.042 95.847,85.68 94.1,83.933 94.1,80.15 97.166,77.084 102.035,77.084 102.946,76.172 102.946,73.45 103.135,73.261 v1(103.135,73.187)
CSI3_D1_P: J2(CSI3).6 M1.35 | length 25.9
  TOP w0.107: v1(95.363,86.305) 95.363,86.237 95.558,86.042 95.558,84.658 95.5,84.6 ; v1(102.462,73.187) 102.462,73.255 102.657,73.45 ; M1.35@102.55,76.6 102.647,76.503 102.647,75.727 102.658,75.716 102.658,73.45
  L4_SIG w0.109: v1(95.363,86.305) 95.363,86.231 95.552,86.042 95.552,85.802 93.805,84.055 93.805,80.028 96.336,77.497 97.044,76.789 101.913,76.789 102.651,76.05 102.651,73.45 102.462,73.261 v1(102.462,73.187)
CSI4_CLK_N: J4(CSI4).14 M1.52 | length 40.8
  TOP w0.107: 80.05,84.5 79.992,84.558 79.992,86.95 80.187,87.144 v1(80.187,87.213) ; M1.52@98.3,68.4 98.203,68.303 98.203,67.527 98.192,67.516 98.192,67.25 98.387,67.056 v1(98.387,66.987)
  L4_SIG w0.109: v1(80.187,87.213) 80.187,87.139 79.998,86.95 79.998,85.081 77.9,82.983 77.9,81.048 78.898,80.05 90.469,80.05 98.197,72.321 98.197,67.25 98.387,67.061 v1(98.387,66.987)
CSI4_CLK_P: J4(CSI4).12 M1.54 | length 40.8
  TOP w0.107: v1(79.514,87.213) 79.514,87.144 79.708,86.95 79.708,84.558 79.65,84.5 ; v1(97.713,66.987) 97.713,67.056 97.908,67.25 97.908,67.516 97.897,67.527 97.897,68.303 M1.54@97.8,68.4
  L4_SIG w0.109: v1(79.514,87.213) 79.514,87.139 79.703,86.95 79.703,85.203 77.605,83.105 77.605,80.926 78.776,79.755 90.346,79.755 97.903,72.199 97.903,67.25 97.713,67.061 v1(97.713,66.987)
CSI4_D0_N: J4(CSI4).11 M1.46 | length 40.9
  TOP w0.107: 79.45,83.275 79.392,83.217 79.392,81.963 79.587,81.769 v1(79.587,81.7) ; 99.692,64.75 99.692,67.516 99.703,67.527 99.703,68.303 M1.46@99.8,68.4 ; 99.697,64.75 99.892,64.555 v1(99.892,64.487)
  L4_SIG w0.109: v1(79.587,81.7) 79.587,81.626 79.397,81.437 79.397,81.003 79.55,80.85 81.55,80.85 81.691,80.85 81.845,81.004 81.845,81.455 82.172,81.782 82.725,81.782 83.052,81.455 83.052,80.938 83.206,80.783 83.515,80.783 83.669,80.938 83.669,81.28 83.996,81.607 84.549,81.607 84.875,81.28 84.875,81.004 85.03,80.85 85.75,80.85 91.569,80.85 99.696,72.722 99.696,64.75 ; 99.702,64.75 99.892,64.561 v1(99.892,64.487)
CSI4_D0_P: J4(CSI4).9 M1.48 | length 40.9
  TOP w0.107: v1(78.913,81.7) 78.913,81.769 79.108,81.963 79.108,83.217 79.05,83.275 ; v1(99.219,64.487) 99.219,64.555 99.413,64.75 ; M1.48@99.3,68.4 99.397,68.303 99.397,67.527 99.408,67.516 99.408,64.75
  L4_SIG w0.109: v1(78.913,81.7) 78.913,81.626 79.103,81.437 79.103,80.881 79.428,80.555 81.55,80.555 81.813,80.555 82.14,80.882 82.14,81.333 82.294,81.487 82.603,81.487 82.757,81.333 82.757,80.816 83.084,80.489 83.637,80.489 83.964,80.816 83.964,81.158 84.118,81.313 84.426,81.313 84.581,81.158 84.581,80.882 84.908,80.555 85.75,80.555 91.446,80.555 99.401,72.6 99.401,64.75 ; v1(99.219,64.487) 99.219,64.561 99.405,64.747